# KiCad board ECB-4PIO.kicad_pcb (continued)
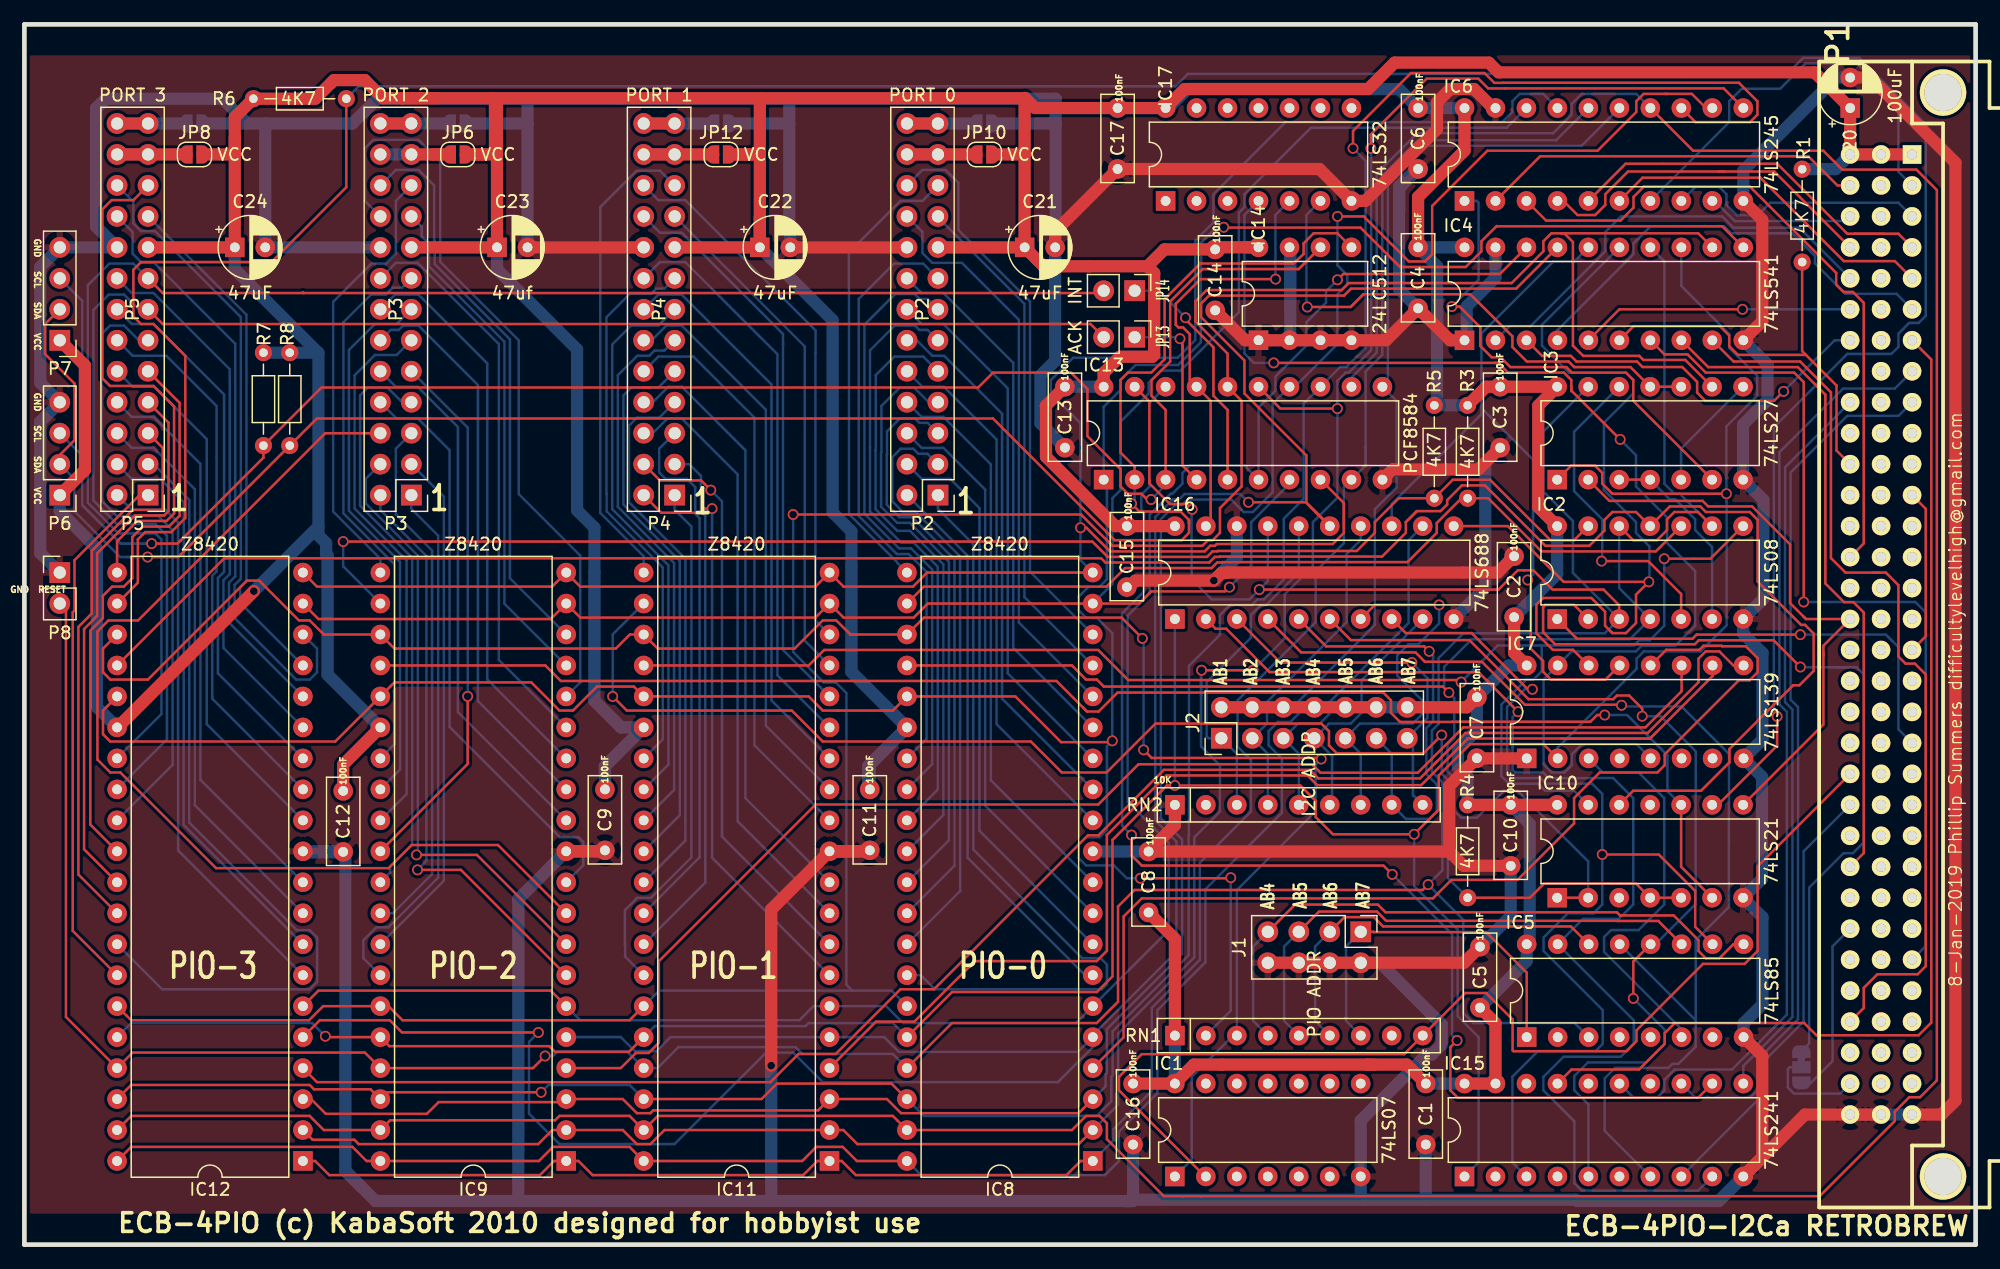
[diagram p0: board, top side]
## Routing (per net, layer and track width the routed paths; a pad name or vN(x,y) marks a point on that pad's centre or on a via; arc(x,y) is an arc through that point) (continued)
/DB7: length 205.8
  Vorderseite w0.203: v1(107.66,68.57) 102.99,68.57 IC13.15 ; IC12.2 23.64,8.6 27.06,8.6 27.41,8.24 42.13,8.24 43.29,9.4 IC9.2 49.07,9.4 50.23,8.24 51.33,8.24 52.49,9.4 IC11.2 67.15,9.4 68.31,8.24 86.45,8.24 IC8.2 ; v1(100.75,47.12) 100.74,47.11 v1(96.53,47.11) ; IC6.11 139.34,94.83 121.43,94.83 121.43,94.83 120.03,94.83 119.22,95.63 114.98,95.63 110.41,91.05 v1(110.41,89.91)
  Rückseite w0.203: 96.49,47.1 96.49,47.11 v1(96.53,47.11) 96.49,47.14 ; 96.49,47.1 96.49,45.92 ; 96.49,47.1 96.49,45.01 ; 96.49,46.28 96.49,45.92 ; 96.49,45.92 96.49,45.01 ; 96.49,45.01 96.49,40.85 98.04,39.3 98.04,35.51 95.93,33.41 95.93,23.55 89.69,17.31 89.69,11.48 IC8.2 ; v1(110.41,89.91) 110.43,89.88 110.43,73.36 108.59,71.51 108.34,71.51 107.66,70.84 107.66,61.26 105.66,59.25 105.66,55.64 103.35,53.33 103.35,49.71 v1(100.75,47.12)
/IEI: length 140.5
  Vorderseite w0.203: IC2.9 137.23,60.08 135.3,60.08 134.69,59.48 134.69,58.6 133.86,57.77 131.93,57.77 IC2.12 ; IC10.1 IC10.2 ; IC8.24 85.9,47.5 87.06,46.34 87.94,46.34 88.51,45.77 116.31,45.77 v1(116.81,45.27)
  Rückseite w0.203: IC10.2 128.23,31.43 122.43,37.22 121.32,37.22 119.11,35.01 117.81,35.01 117.22,35.61 117.22,38.27 116.7,38.79 116.7,40.99 117.25,41.55 117.25,44.83 v1(116.81,45.27) 116.43,45.65 116.43,47.39 118.68,49.65 131.65,49.65 IC2.4 130.77,53.85 IC2.12 ; IC4.14 134.49,80.63 134.49,62.39 135.3,61.58 135.74,61.58 IC2.9
/IEO_0: length 120.8
  Vorderseite w0.203: IC11.24 64.31,47.5 65.58,48.77 88.05,48.77 90.51,46.31 117.64,46.31 v1(117.81,46.14) ; v1(134.47,56.25) 138.26,56.25 IC2.8
  Rückseite w0.203: v1(134.47,56.25) 134.47,50.75 133.28,49.57 132.42,49.57 131.99,49.14 124.45,49.14 ; IC10.13 127.07,37.22 124.71,37.22 124.13,37.8 121.73,37.8 121.12,38.41 121.12,44.3 123.16,46.34 123.27,46.34 123.27,46.35 123.75,46.35 124.42,47.01 124.42,49.1 124.45,49.14 ; 124.45,49.14 120.81,49.14 v1(117.81,46.14)
/IEO_1: length 124.6
  Vorderseite w0.203: 86.82,44.04 84.63,46.23 43.99,46.23 42.72,47.5 IC9.24 ; 86.82,44.04 87.14,43.72 88.08,43.72 89.64,45.27 111.43,45.27 112.06,44.65 112.06,43.62 112.81,42.86 117.07,42.86 117.09,42.88 128.41,42.88 128.96,43.43 v1(129.59,43.43) ; 86.82,44.04 87.06,43.8 ; IC10.6 135.85,30.99 IC10.10 ; 108.88,45.27 109.01,45.27
  Rückseite w0.203: v1(129.59,43.43) 131.43,43.43 134.73,40.13 134.73,37.18 IC10.10
/IEO_2: length 183.8
  Vorderseite w0.203: 113.28,59.25 113.28,58.37 111.34,56.43 98.04,56.43 98,56.4 97.62,56.4 97.16,55.94 88.64,55.94 88.3,56.29 16.39,56.29 IC12.24 ; 113.28,59.25 114.18,60.16 116.12,60.16 116.67,60.71 116.67,61.06 117.88,62.27 119.76,62.27 124.72,57.32 128.33,57.32 129.56,58.55 129.56,59.43 130.22,60.08 132.15,60.08 IC2.11 134.92,60.54 137.42,60.54 137.88,60.08 141.48,60.08 142.13,59.44 142.13,54.39 145.69,50.83 146.01,50.83 146.72,50.12 146.72,47.04 145.55,45.87 145.04,45.87 139.81,40.65 139.81,39.55 137.49,37.22 131.93,37.22 IC10.12 ; 113.28,59.25 114.16,60.13
/PHI: length 230.6
  Vorderseite w0.203: 66.66,43.8 66.8,43.8 ; 66.66,43.8 71.21,43.8 IC8.25 81.26,44.96 85.01,41.21 89.1,41.21 v1(89.21,41.32) 89.04,41.15 88.88,41.15 ; 66.66,43.8 65.47,43.8 64.31,44.96 IC11.25 49.97,45.77 46.95,45.77 44.98,43.8 43.88,43.8 41.56,46.11 30.35,46.11 IC9.25 25.49,41.26 7.05,41.26 6.44,41.86 6.44,43.8 IC12.25 ; IC4.11 139.22,83.52 120.74,83.52 120.73,83.53 119.47,82.28 119.47,81.46 118.19,80.18 112.79,80.18 109.56,83.4 98.76,83.4 98.41,83.76 ; v1(98.92,30.09) 98.88,30.05 v1(91.51,30.05)
  Rückseite w0.203: RN1.2 98.92,19.18 v1(98.92,30.09) ; v1(91.51,30.05) 90.39,30.05 89.34,31.1 87.06,31.1 86.45,31.7 86.45,32.81 87.06,33.41 88.16,33.41 88.77,34.01 88.77,40.87 v1(89.21,41.32) 89.21,50.15 87.94,51.42 87.06,51.42 86.45,52.02 86.45,53.13 87.28,53.96 88.16,53.96 88.77,54.56 88.77,62.47 IC13.1 88.5,68.71 89.88,70.09 89.88,70.91 91.11,72.14 94.61,72.14 96.47,74 96.47,80.62 96.49,80.63 96.49,82.18 97.75,83.44 v1(98.34,83.44)
/SCL: length 164.8
  Vorderseite w0.203: 50.65,70.29 51.23,70.29 ; 50.65,70.29 24.36,70.29 R7.2 19.6,64.54 12.79,57.73 ; 50.65,70.29 78.21,70.29 79.43,71.51 85.82,71.51 87.17,70.17 87.17,66.31 89.88,63.59 89.88,62.18 90.48,61.58 91.59,61.58 92.07,61.11 v1(92.39,61.11) ; 12.79,57.73 12.56,57.5 v1(10.43,57.5) ; 12.79,57.73 12.72,57.66 ; 106.28,81.79 104.5,80.01 96.61,80.01 93.96,77.35 93.96,72.43 92.42,70.89 92.42,69.62 93.58,68.46 IC13.3
  Rückseite w0.203: IC13.3 93.58,62.3 v1(92.39,61.11) ; P7.3 4.74,77.41 4.74,64.33 ; 7.9,57.5 v1(10.43,57.5) 7.9,57.5 ; 7.9,57.5 4.74,60.65 ; 7.9,57.5 4.74,60.65 ; P6.3 4.74,64.71 4.74,64.33 ; 4.74,64.33 4.74,60.65
/SDA: length 168.3
  Vorderseite w0.203: 75.67,67.75 75.99,67.75 ; 75.67,67.75 23.98,67.75 R8.2 12.62,56.39 v1(10.1,56.39) ; 75.67,67.75 79.42,67.75 89.4,57.77 94.9,57.77 95.5,58.37 95.5,59.17 ; IC13.2 91.04,63.8 89.88,64.96 89.88,70.91 90.48,71.51 92.4,71.51 93.5,72.61 93.5,77.54 96.43,80.47 104.07,80.47 104.25,80.65 104.89,81.24 104.89,82.12 105.72,82.95 107.66,82.95 IC14.5 ; 95.5,59.17 95.5,59.43 94.81,60.12 91.44,60.12 v1(90.79,60.77) ; 95.5,59.17 95.5,59.44 95.48,59.44 ; P6.2 2.9,64.76 4.11,65.97 4.11,70.62 1.7,73.03 1.7,75.5 P7.2
  Rückseite w0.203: P6.2 4.11,62.8 4.11,60.14 7.86,56.39 v1(10.1,56.39) 8.36,56.39 ; IC13.2 91.04,61.02 v1(90.79,60.77)
/~{CE-PIO3}: length 135.7
  Vorderseite w0.203: IC7.9 140.14,47.5 138.98,48.65 137.88,48.65 137.27,48.05 137.27,46.12 133.12,41.96 118.17,41.96 115.85,39.64 ; IC12.4 24,13.32 61.17,13.32 63.48,15.63 66.53,15.63 71.84,20.94 74.58,20.94 87.21,33.57 88.07,33.57 93.44,38.94 105.4,38.94 106.1,38.24 114.45,38.24 115.85,39.64 ; 115.65,39.44 115.85,39.64
/~{INT}: length 161.9
  Vorderseite w0.203: IC12.23 6.44,48.88 6.44,46.94 7.05,46.34 10.13,46.34 18.24,54.46 19.25,54.46 22.51,51.19 23.39,51.19 24.55,50.04 IC9.23 30.35,48.88 48.49,48.88 49.65,50.04 IC11.23 51.94,48.88 63.15,48.88 65.47,51.19 66.57,51.19 67.73,50.04 IC8.23 73.75,51.42 89.97,51.42 v1(91.67,49.72) ; v1(106.34,39.83) 106.25,39.91 92.44,39.91 v1(91.78,40.58)
  Rückseite w0.203: v1(106.34,39.83) 105.87,39.35 105.87,35.53 99.42,29.08 RN1.3 99.1,17.15 95.72,13.76 95.72,6.97 IC1.1 ; v1(91.67,49.72) 91.78,49.62 v1(91.78,40.58)
/~{WR}: length 105
  Vorderseite w0.203: v1(112.16,30.37) 111.44,31.09 91.63,31.09 90.78,31.93 v1(90.78,33.59) ; IC15.12 137.25,12.05 117.54,12.05 116.93,12.65 116.93,16.2 v1(117.48,16.74) 117.34,16.88
  Rückseite w0.203: v1(90.78,33.59) 90.01,34.37 90.01,51.77 91.81,53.58 91.81,60.05 91.59,60.28 91.59,61.49 92.27,62.18 92.27,69.05 IC13.18 ; v1(117.48,16.74) 117.07,17.15 117.07,25.46 v1(112.16,30.37)
Net-(IC2-Pad5): length 26.5
  Vorderseite w0.203: IC2.5 135.85,53.36 133.15,56.06 v1(129.33,56.06)
  Rückseite w0.203: IC3.12 127.07,66.66 127.07,61.79 129.39,59.48 129.39,56.11 v1(129.33,56.06)
Net-(IC2-Pad6): length 16.3
  Vorderseite w0.203: IC3.3 IC3.4
  Rückseite w0.203: IC2.6 138.39,57.22 137.01,58.6 137.01,59.48 135.36,61.13 134.92,61.13 IC3.4
Net-(IC2-Pad10): length 70.2
  Vorderseite w0.203: IC2.10 133.78,56.86 124.39,56.86 120.04,61.21 R3.2 117.85,61.21 115.82,59.18 115.82,58.37 113.42,55.97 98.22,55.97 98.19,55.94 97.81,55.94 97.35,55.49 90.25,55.49 88.73,53.96 73.75,53.96 IC8.22
Net-(IC2-Pad13): length 114.6
  Vorderseite w0.203: IC2.13 127.07,57.77 125.14,57.77 120.18,62.73 117.13,62.73 R5.2 112.7,61.21 110.74,59.25 110.74,58.37 109.25,56.89 97.85,56.89 97.81,56.86 97.43,56.86 96.97,56.4 88.83,56.4 87.57,57.66 v1(26.14,57.66)
  Rückseite w0.203: v1(26.14,57.66) 26.14,55.63 IC9.22
Net-(IC3-Pad5): length 9.7
  Rückseite w0.203: IC3.5 135.85,65.28 IC3.8
Net-(IC3-Pad6): length 39.8
  Vorderseite w0.203: IC3.6 131.93,69.2 131.93,70.91 131.32,71.51 126.89,71.51 126.43,71.97 121.85,71.97 121.05,72.77 120.32,72.77 119.39,73.7 119.39,75.22 117.68,76.94 v1(117.05,76.94)
  Rückseite w0.203: v1(117.05,76.94) 119.25,79.13 119.25,85.45 119.09,85.6 IC6.1
Net-(IC5-Pad1): length 29.8
  Vorderseite w0.203: J1.1 110.63,25.65 110.66,25.63 119.87,25.63 123.19,22.31 IC5.1
  Rückseite w0.203: RN1.7 108.38,18.35 108.38,24.45 J1.1
Net-(IC5-Pad6): length 33.2
  Rückseite w0.203: IC7.3 129.43,38.72 132.37,38.72 134.47,36.62 134.47,27.89 132.37,25.79 130.1,25.79 129.53,25.22 129.53,24.02 135.89,17.66 IC5.6
Net-(IC5-Pad9): length 52.4
  Vorderseite w0.203: IC5.9 140.14,24.64 138.98,23.48 137.88,23.48 137.27,24.08 137.27,24.96 135.24,27 130.84,27 ; 130.97,27 130.84,27 ; 130.84,27 130.59,27.25 111.61,27.25 110.98,27.89 104.2,27.89 J1.7
  Rückseite w0.203: RN1.4 100.76,18.35 100.76,24.45 J1.7
Net-(IC5-Pad11): length 42.7
  Vorderseite w0.203: J1.5 106.16,27.32 110.9,27.32 111.67,26.55 130.64,26.55 130.65,26.54 133.98,26.54 IC5.11
  Rückseite w0.203: J1.5 103.3,24.45 103.3,18.35 RN1.5
Net-(IC5-Pad14): length 32.2
  Vorderseite w0.203: IC5.14 126.81,26.1 111.41,26.1 110.65,26.86 108.25,26.86 J1.3
  Rückseite w0.203: RN1.6 105.84,18.35 105.84,24.45 J1.3
Net-(IC10-Pad4): length 115.9
  Vorderseite w0.203: IC10.5 IC10.4 132.15,29.6 124.61,29.6 123.45,28.45 R4.2 ; v1(48.24,44.96) 49.4,43.8 62.93,43.8 65.47,41.26 82.53,41.26 85.07,38.72 88.74,38.72 92.75,42.73 106.35,42.73 106.98,42.11 106.98,40.94 107.61,40.31 114.74,40.31 v1(116.22,41.79)
  Rückseite w0.203: v1(116.22,41.79) 116.22,38.63 116.73,38.11 116.73,30.06 R4.2 ; v1(48.24,44.96) 48.24,50.04 IC11.22
Net-(IC10-Pad9): length 260.1
  Vorderseite w0.203: IC10.9 138.87,36.07 143.72,40.92 v1(143.72,43.31) ; R6.2 26.4,86.72 20.26,80.58 9.57,80.58 8.93,79.95 8.93,76.13 9.56,75.5 10.59,75.5 13.19,72.9 13.19,59.59 12.03,58.43 9.9,58.43 9.3,57.84 9.3,54.28 IC12.22
  Rückseite w0.203: v1(143.72,43.31) 143.46,43.58 143.46,67.03 149.48,73.05 153.09,73.05 153.67,73.63 153.67,74.7 154.56,75.59 155.33,75.59 155.91,76.17 155.91,91.88 150.46,97.33 145.85,97.33 144.54,96.01 95.4,96.01 94.39,95 27.41,95 R6.2
Net-(IC13-Pad4): length 16.2
  Vorderseite w0.203: 94.96,73.42 94.96,73.77 ; IC13.4 94.96,63.89 94.96,74.09 v1(94.76,74.3)
  Rückseite w0.203: JP13.1 94.63,74.42 v1(94.76,74.3)
Net-(IC13-Pad5): length 19.8
  Vorderseite w0.203: v1(95.21,76.02) 95.21,75.88 97.5,73.59 97.5,69.62 98.66,68.46 IC13.5
  Rückseite w0.203: JP14.1 93,78.23 v1(95.21,76.02)
Net-(IC13-Pad17): length 35.7
  Vorderseite w0.203: v1(102.6,79.18) 96.44,79.18 94.41,77.16 94.41,75.44 94.63,75.22 95.02,75.22 95.56,74.68 95.56,70.92 IC13.17 97.27,69.2 97.27,59.32 IC16.19
  Rückseite w0.203: v1(102.6,79.18) 102.58,79.2 102.58,84.44 IC17.5
Net-(IC16-Pad3): length 29.2
  Vorderseite w0.203: IC16.3 102.99,47.74 v1(113.77,47.74)
  Rückseite w0.203: v1(113.77,47.74) 115.05,46.45 115.05,43.19 113.39,41.53 113.86,41.06 113.86,36.87 RN2.9
Net-(IC16-Pad5): length 36.1
  Vorderseite w0.203: IC16.5 106.74,49.07 114.79,49.07 v1(115.19,48.66)
  Rückseite w0.203: J2.11 112.12,40.26 RN2.8 113.28,34.91 115.22,34.91 115.82,35.51 115.82,37.73 114.96,38.59 114.96,42.36 115.51,42.91 115.51,48.34 v1(115.19,48.66)
Net-(IC16-Pad7): length 31.7
  Vorderseite w0.203: IC16.7 110.74,52.46 v1(116.01,52.46)
  Rückseite w0.203: RN2.7 109.58,40.26 J2.9 109.52,42.73 113.84,42.73 114.6,43.49 114.6,44.65 112.57,46.68 112.57,48.31 113.49,49.24 114.3,49.24 116.01,50.94 v1(116.01,52.46)
Net-(IC16-Pad9): length 20.7
  Rückseite w0.203: RN2.6 107.23,36.26 107.23,40.07 J2.7 106.98,42.73 108.76,42.73 109.65,43.62 109.65,46.29 IC16.9
Net-(IC16-Pad12): length 29.2
  Rückseite w0.203: RN2.5 104.5,40.26 103.23,41.53 104.44,42.73 106.22,42.73 106.98,43.49 106.98,44.45 113.51,50.98 113.51,57.77 IC16.12
Net-(IC16-Pad14): length 27.1
  Rückseite w0.203: IC16.14 109.58,57.8 108.43,56.64 108.43,51.05 101.9,44.52 101.9,42.73 J2.3 101.96,40.26 RN2.4
Net-(IC16-Pad16): length 27.9
  Rückseite w0.203: IC16.16 104.5,55.13 101.84,52.46 101.41,52.46 100.58,51.63 100.58,49.77 96.95,46.14 96.95,41.68 97.1,41.53 J2.1 99.42,40.26 RN2.3
Net-(IC17-Pad6): length 45.3
  Vorderseite w0.203: 109.8,77.95 108.82,76.96 ; 109.8,77.95 118.56,77.95 122.01,74.49 122.01,73.61 123.2,72.43 126.62,72.43 127.08,71.97 131.7,71.97 IC3.11 IC3.10 ; 109.8,77.95 108.76,76.9 v1(105.2,76.9)
  Rückseite w0.203: v1(105.2,76.9) 105.12,76.97 105.12,84.44 IC17.6
Net-(JP5-Pad2): length 8.2
  Vorderseite w1: P3.26 P3.25
  Rückseite w1: P3.26 JP5.2
Net-(JP6-Pad1): length 6.5
  Vorderseite w1: P3.23 33.51,89.41 ; 33.51,89.41 JP6.1 ; 33.51,89.41 34.27,89.41
  Rückseite w1: P3.24 P3.23
Net-(JP7-Pad2): length 8.2
  Vorderseite w1: P5.26 P5.25
  Rückseite w1: P5.26 JP7.2
Net-(JP8-Pad1): length 8.2
  Vorderseite w1: P5.24 JP8.1
  Rückseite w1: P5.24 P5.23
Net-(JP9-Pad2): length 8.2
  Vorderseite w1: P2.26 P2.25
  Rückseite w1: P2.26 78.02,91.95
Net-(JP10-Pad1): length 8.2
  Vorderseite w1: P2.24 JP10.1
  Rückseite w1: P2.24 P2.23
Net-(JP11-Pad2): length 8.2
  Vorderseite w1: P4.26 P4.25
  Rückseite w1: P4.26 JP11.2
Net-(JP12-Pad1): length 8.2
  Vorderseite w1: P4.24 JP12.1
  Rückseite w1: P4.24 P4.23

## Copper pours and planes (outline as drawn; the poured copper is in the pictures)
GND on Vorderseite: 160,2.54 160,97.54 -0.78,97.54 -0.78,2.54
GND on Rückseite: 160,2.54 160,97.54 -0.78,97.54 -0.78,2.54

## Text on the board
F.SilkS: GND   SCL   SDA   VCC | AB1 | AB2 | AB4 | AB3 | AB5 | AB6 | AB7 | 8-Jan-2019 Phillip Summers difficultylevelhigh@gmail.com | ECB-4PIO (c) KabaSoft 2010 designed for hobbyist use | ECB-4PIO-I2Ca RETROBREW | 1 | PIO-3 | PIO-2 | PIO-1 | PIO-0
